# Altium PCB main_io.PcbDoc (part 1 of 3) (continued)
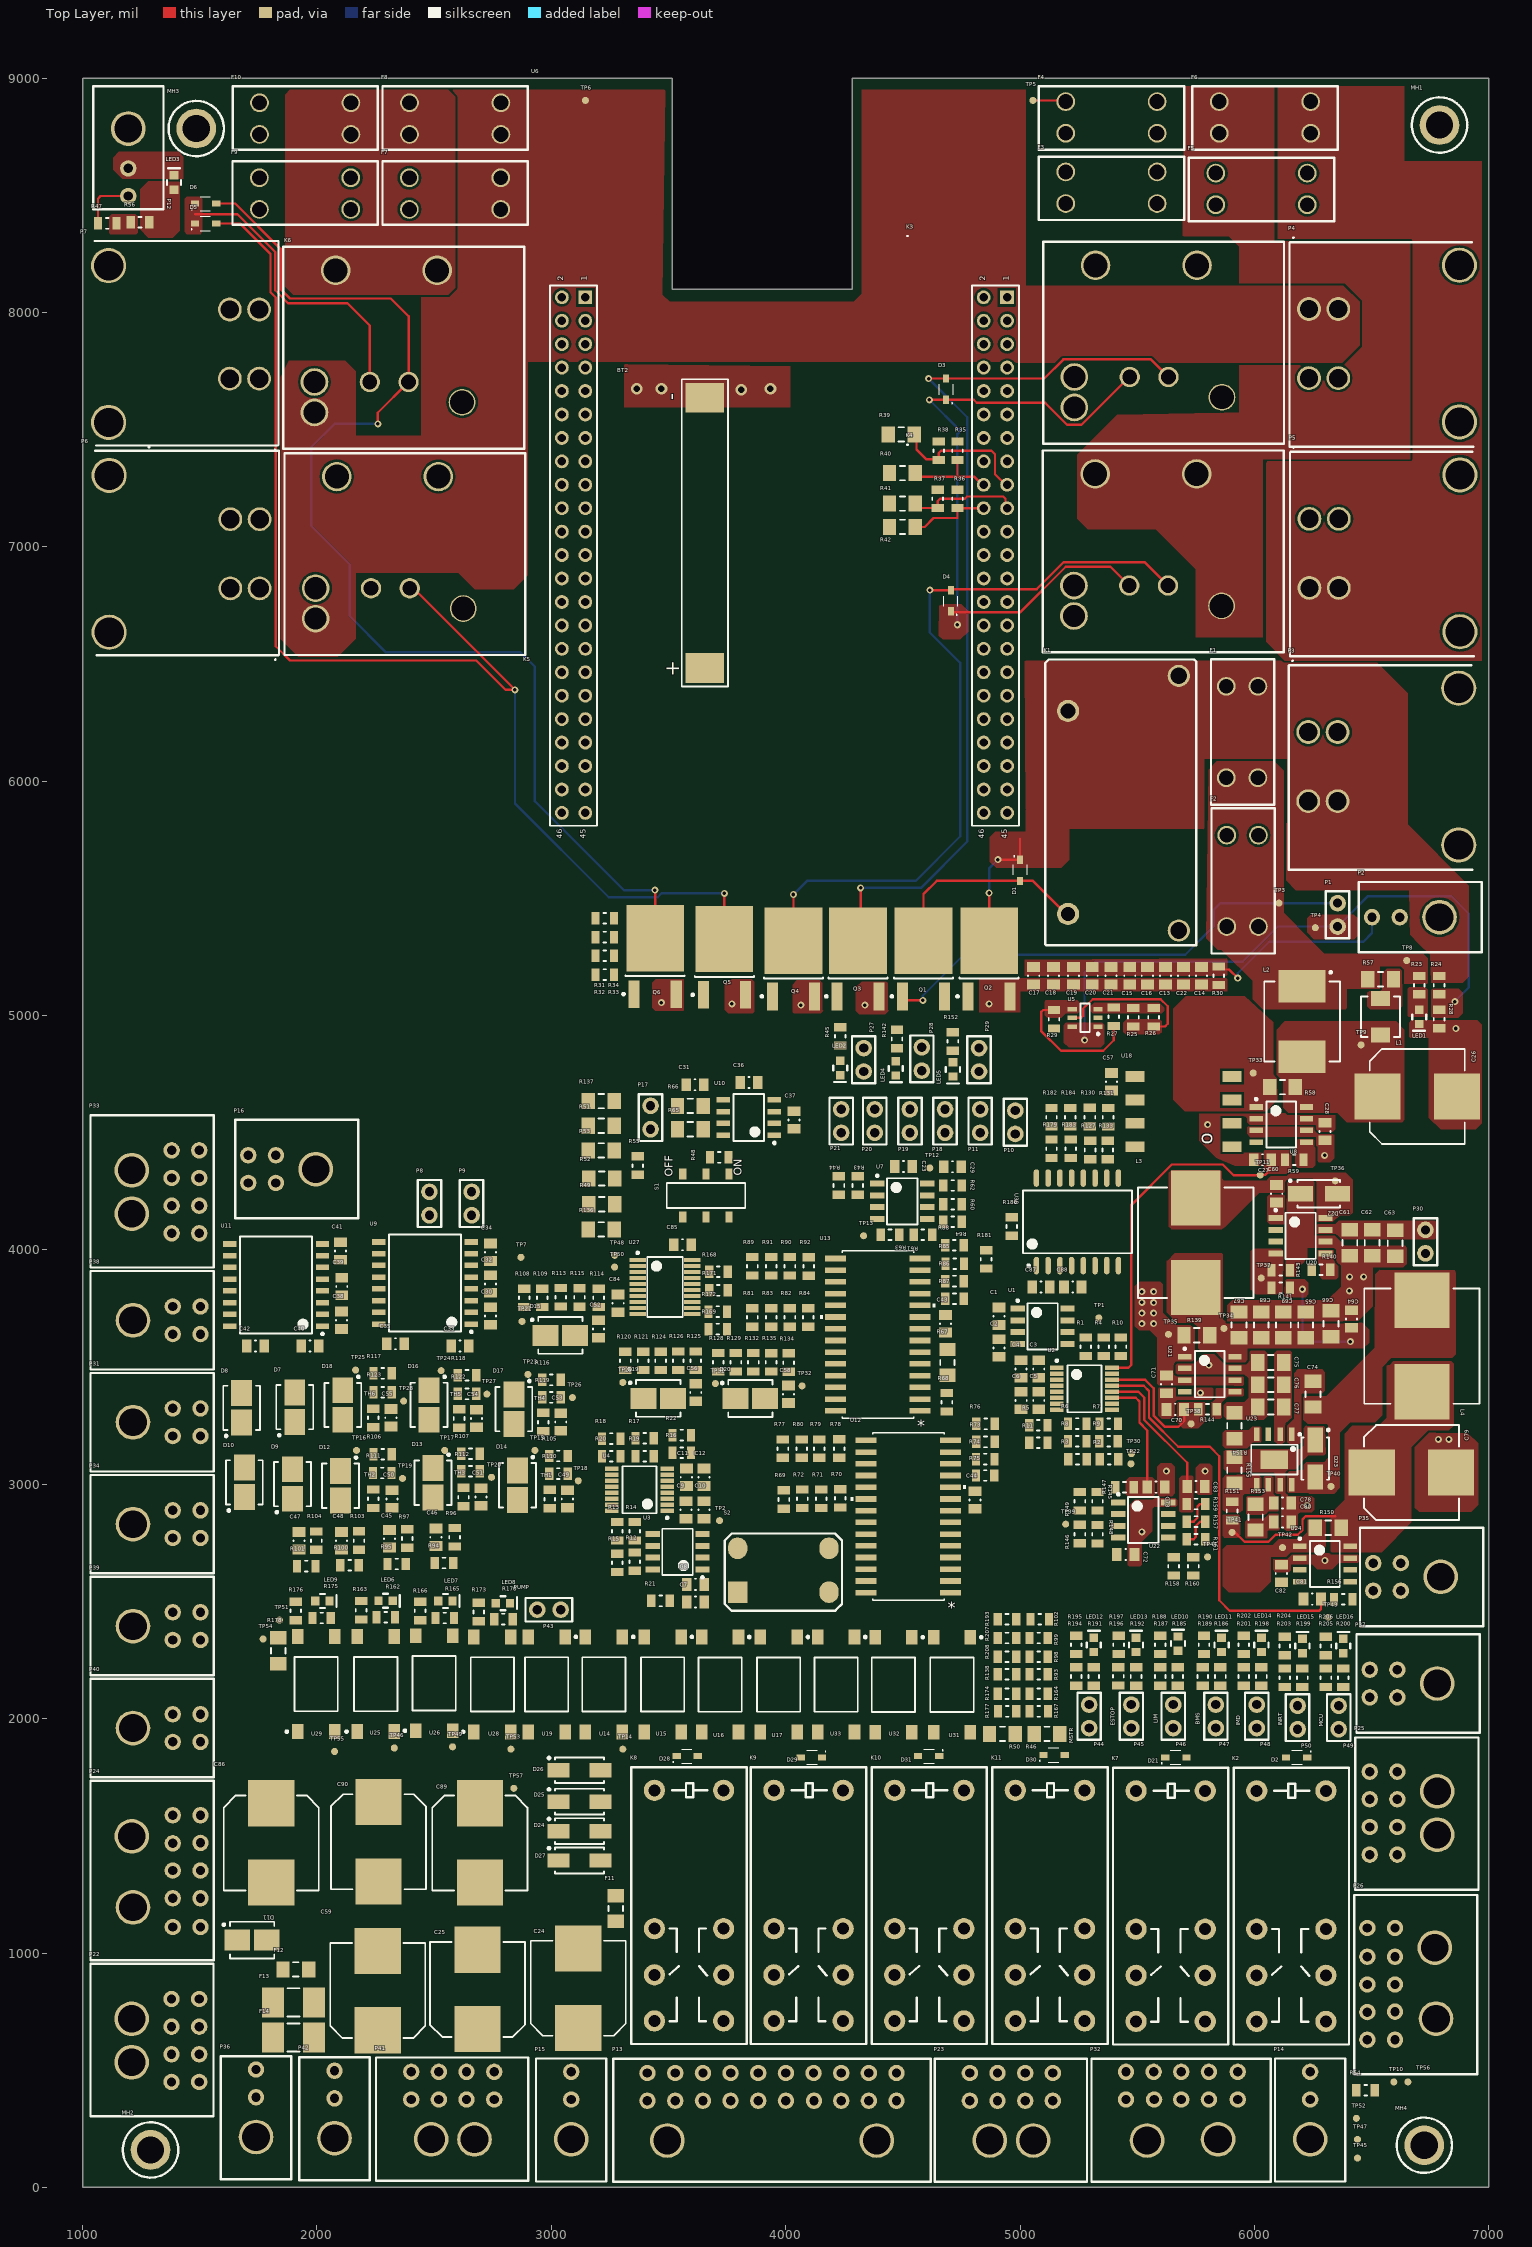
[diagram p0: Top Layer view]
## Components (designator, comment, footprint, x,y, rotation, side; value= is the part's Value field where it differs from the comment) (continued)
C85 "0.10µF" SMD-0805C 3560.24,4022.24 r180 top
C86 "PCR1J101MCL1GS" CAPAE110103X126M 1805,1470 r270 top
C87 "0.10µF" SMD-0805C 5090,3842.24 r0 top
C88 "1µF" SMD-0805C 5225,3842.24 r0 top
C89 "PCR1J101MCL1GS" CAPAE110103X126M 2695,1470 r270 top
C90 "PCR1J101MCL1GS" CAPAE110103X126M 2262.24,1475 r270 top
D1 "Diode General Purpose_2" SODFL250X110-2N 5000,5620 r90 top
D2 "Diode General Purpose_2" SODFL250X110-2N 6180,1835 r0 top
D3 "Diode General Purpose_2" SODFL250X110-2N 4685,7673.03 r270 top
D4 "Diode General Purpose_2" SODFL250X110-2N 4705,6770 r270 top
D5 "Diode General Purpose_2" SODFL250X110-2N 1525,8380 r180 top
D6 "Diode General Purpose_2" SODFL250X110-2N 1525,8465 r180 top
D7 "SMBJ8.0CA" DIOM4436X26N 1905.26,3329.39 r90 top
D8 "SMBJ8.0CA" DIOM4436X26N 1678.72,3326.39 r90 top
D9 "SMBJ8.0CA" DIOM4436X26N 1895.26,3001.28 r90 top
D10 "SMBJ8.0CA" DIOM4436X26N 1690.26,3008.28 r90 top
D11 "SMBJ15A" DIOM4436X26N 1723.03,1055 r0 top
D12 "SMBJ15A" DIOM4436X26N 2100.26,2993.95 r270 top
D13 "SMBJ15A" DIOM4436X26N 2495.26,3006.68 r270 top
D14 "SMBJ15A" DIOM4436X26N 2855.26,2995.96 r270 top
D15 "SMBJ15A" DIOM4436X26N 3038.63,3635.67 r0 top
D16 "SMBJ15A" DIOM4436X26N 2478.41,3338.68 r270 top
D17 "SMBJ15A" DIOM4436X26N 2840.26,3320.68 r270 top
D18 "SMBJ15A" DIOM4436X26N 2110.26,3338.4 r270 top
D19 "SMBJ15A" DIOM4436X26N 3456.36,3366.89 r0 top
D20 "SMBJ15A" DIOM4436X26N 3849.51,3366.18 r0 top
D21 "Diode General Purpose_2" SODFL250X110-2N 5665,1835 r180 top
D22 "B340A-13-F" DIOM4326X20N 6275,4240 r0 top
D23 "B340A-13-F" DIOM4326X20N 6260,3110 r270 top
D24 "SMAJ24A" INDM5026X18N 3120,1520 r0 top
D25 "SMAJ24A" INDM5026X18N 3120,1646 r0 top
D26 "SMAJ24A" INDM5026X18N 3120,1780 r0 top
D27 "SMAJ24A" INDM5026X18N 3120,1395 r0 top
D28 "Diode General Purpose_2" SODFL250X110-2N 3580,1840 r180 top
D29 "Diode General Purpose_2" SODFL250X110-2N 4110,1835 r0 top
D30 "Diode General Purpose_2" SODFL250X110-2N 5145,1845 r180 top
D31 "Diode General Purpose_2" SODFL250X110-2N 4610,1840 r0 top
F1 "3568" "Fuse Holder 30A 500V 1 Circuit Blade Through Hole" 5880,6405 r270 top
F2 "3568" "Fuse Holder 30A 500V 1 Circuit Blade Through Hole" 5882.28,5770 r270 top
F3 "3568" "Fuse Holder 30A 500V 1 Circuit Blade Through Hole" 5585,8600 r180 top
F4 "3568" "Fuse Holder 30A 500V 1 Circuit Blade Through Hole" 5585,8900 r180 top
F5 "3568" "Fuse Holder 30A 500V 1 Circuit Blade Through Hole" 6225.51,8595 r180 top
F6 "3568" "Fuse Holder 30A 500V 1 Circuit Blade Through Hole" 6240,8900 r180 top
F7 "3568" "Fuse Holder 30A 500V 1 Circuit Blade Through Hole" 2394.37,8440 r0 top
F8 "3568" "Fuse Holder 30A 500V 1 Circuit Blade Through Hole" 2395,8760 r0 top
F9 "3568" "Fuse Holder 30A 500V 1 Circuit Blade Through Hole" 1754.37,8440 r0 top
F10 "3568" "Fuse Holder 30A 500V 1 Circuit Blade Through Hole" 1755,8760 r0 top
F11 "F2570CT" SMD-1206-RES 3275,1190 r270 top
F12 "F2570CT" SMD-1206-RES 1910,930 r0 top
F13 "CB61F15A-TR1" RESC6132X26N 1900,790 r180 top
F14 "CB61F15A-TR1" RESC6132X26N 1900,640 r180 top
K1 "PCFN-124D2M,000" PCFN-124D2M,000 5677.44,6449.61 r270 top
K2 "G2RL-24_DC24" G2RL 6010,1692.4 r90 top
K3 "1393277-8" "RELAY AUTOMOTIVE SPDT 45A 24V - duplicate" 5322.24,8201.38 r180 top
K4 "1393277-8" "RELAY AUTOMOTIVE SPDT 45A 24V - duplicate" 5320.55,7311.38 r180 top
K5 "1393277-8" "RELAY AUTOMOTIVE SPDT 45A 24V - duplicate" 2085,7300 r180 top
K6 "1393277-8" "RELAY AUTOMOTIVE SPDT 45A 24V - duplicate" 2079.96,8180 r180 top
K7 "G2RL-24_DC24" G2RL 5495,1692.4 r90 top
K8 "G2RL-24_DC24" G2RL 3440,1694.53 r90 top
K9 "G2RL-24_DC24" G2RL 3950,1694.53 r90 top
K10 "G2RL-24_DC24" G2RL 4465,1694.53 r90 top
K11 "G2RL-24_DC24" G2RL 4980,1694.53 r90 top
L1 "0410CDMCCDS-R10MC" INDM4442X20N 6538.27,4995 r270 top
L2 "IHLP3232DZER1R0M11" INDM8682X40N 6203.27,4975 r270 top
L3 "SRR1280A-330M" INDM120125X75N 5750,4030.94 r270 top
L4 "SRR1260-180M" INDM125125X60N 6715,3590.16 r270 top
LED1 "LED GREEN 0603" "LED 0603 GREEN" 6703.27,4995 r270 top
LED2 "RED" "LED 0603 RED" 4232.7,4776.48 r270 top
LED3 "LED GREEN 0603" "LED 0603 GREEN" 1390,8555 r90 top
LED4 "LED GREEN 0603" "LED 0603 GREEN" 4470,4775 r270 top
LED5 "LED GREEN 0603" "LED 0603 GREEN" 4713.61,4770.59 r270 top
LED6 "LED GREEN 0603" "LED 0603 GREEN" 2292.76,2502.99 r0 top
LED7 "LED GREEN 0603" "LED 0603 GREEN" 2548.27,2502.36 r0 top
LED8 "LED GREEN 0603" "LED 0603 GREEN" 2793.27,2492.99 r0 top
LED9 "LED GREEN 0603" "LED 0603 GREEN" 2023.27,2502.36 r0 top
LED10 "LED GREEN 0603" "LED 0603 GREEN" 5674.13,2320 r90 top
LED11 "LED GREEN 0603" "LED 0603 GREEN" 5860,2315 r90 top
LED12 "LED GREEN 0603" "LED 0603 GREEN" 5314.76,2315 r90 top
LED13 "LED GREEN 0603" "LED 0603 GREEN" 5495,2315 r90 top
LED14 "LED GREEN 0603" "LED 0603 GREEN" 6030,2315 r90 top
LED15 "LED GREEN 0603" "LED 0603 GREEN" 6205,2310 r90 top
LED16 "LED GREEN 0603" "LED 0603 GREEN" 6379.45,2310 r90 top
MH1 "4-40 Mount Hole" MH 6790,8800 r0 top
MH2 "4-40 Mount Hole" MH 1290,160 r0 top
MH3 "4-40 Mount Hole" MH 1485,8785 r0 top
MH4 "4-40 Mount Hole" MH 6725,180 r0 top
P1 "Header 2" "Pin Header 1x2 TH Pitch 2.54mm" 6355,5380 r90 top
P2 "43045-0200" 430450200 6790,5420 r90 top
P3 "0431605302" "CONN HDR 2POS 7.50MM" 6871.93,5727.99 r90 top
P4 "0431605302" "CONN HDR 2POS 7.50MM" 6874.96,7532.99 r90 top
P5 "0431605302" "CONN HDR 2POS 7.50MM" 6876.93,6637.99 r90 top
P6 "0431605302" "CONN HDR 2POS 7.50MM" 1113.27,7305 r270 top
P7 "0431605302" "CONN HDR 2POS 7.50MM" 1111.1,8200 r270 top
P8 "Header 2" "Pin Header 1x2 TH Pitch 2.54mm" 2480,4248.23 r270 top
P9 "Header 2" "Pin Header 1x2 TH Pitch 2.54mm" 2660,4248.23 r270 top
P10 "Header 2" "Pin Header 1x2 TH Pitch 2.54mm" 4980,4595 r270 top
P11 "Header 2" "Pin Header 1x2 TH Pitch 2.54mm" 4830,4600 r270 top
P12 "43045-0200" 430450200 1195,8785 r180 top
P13 "43045-2000" 430452000 4389,200 r0 top
P14 "43045-0200" 430450200 6237.83,205 r0 top
P15 "43045-0200" 430450200 3085,205 r0 top
P16 "43045-0400" 430450400 1995,4345 r90 top
P17 "Header 2" "Pin Header 1x2 TH Pitch 2.54mm" 3423.37,4515 r90 top
P18 "Header 2" "Pin Header 1x2 TH Pitch 2.54mm" 4680,4600 r270 top
P19 "Header 2" "Pin Header 1x2 TH Pitch 2.54mm" 4530,4600 r270 top
P20 "Header 2" "Pin Header 1x2 TH Pitch 2.54mm" 4380,4500 r90 top
P21 "Header 2" "Pin Header 1x2 TH Pitch 2.54mm" 4237,4500 r90 top
P22 "43045-0800" 430450800 1209.49,534 r270 top
P23 "43045-0800" 430450800 5056,200 r0 top
P24 "43045-1000" 430451000 1215,1195 r270 top
P25 "43045-0800" 430450800 6780,1690 r90 top
P26 "43045-1000" 430451000 6770,1023 r90 top
P27 "Header 2" "Pin Header 1x2 TH Pitch 2.54mm" 4332.7,4861.48 r270 top
P28 "Header 2" "Pin Header 1x2 TH Pitch 2.54mm" 4580.98,4865 r270 top
P29 "Header 2" "Pin Header 1x2 TH Pitch 2.54mm" 4825,4861.48 r270 top
P30 "Header 2" "Pin Header 1x2 TH Pitch 2.54mm" 6730,4085.51 r270 top
P31 "43045-0400" 430450400 1215,3265 r270 top
P32 "43045-1000" 430451000 5845,205 r0 top
P33 "43045-0800" 430450800 1210,4155 r270 top
P34 "43045-0400" 430450400 1215,2830 r270 top
P35 "43045-0400" 430450400 6795,2605 r90 top
P36 "43045-0200" 430450200 1740,215 r0 top
P37 "43045-0400" 430450400 6780,2150 r90 top
P38 "43045-0400" 430450400 1215,3700 r270 top
P39 "43045-0400" 430450400 1215,2395 r270 top
P40 "43045-0400" 430450400 1215,1960 r270 top
P41 "43045-0800" 430450800 2672.26,205 r0 top
P42 "43045-0200" 430450200 2075,210 r0 top
P43 "Header 2" "Pin Header 1x2 TH Pitch 2.54mm" 3040,2465 r180 top
P44 "Header 2" "Pin Header 1x2 TH Pitch 2.54mm" 5295,1960 r90 top
P45 "Header 2" "Pin Header 1x2 TH Pitch 2.54mm" 5475,1960 r90 top
P46 "Header 2" "Pin Header 1x2 TH Pitch 2.54mm" 5653.7,1960 r90 top
P47 "Header 2" "Pin Header 1x2 TH Pitch 2.54mm" 5835.51,1960 r90 top
P48 "Header 2" "Pin Header 1x2 TH Pitch 2.54mm" 6010,1960 r90 top
P49 "Header 2" "Pin Header 1x2 TH Pitch 2.54mm" 6359.76,1955 r90 top
P50 "Header 2" "Pin Header 1x2 TH Pitch 2.54mm" 6184.45,2055 r270 top
Q1 "N-MOS" DPAK228P991X238-3N 4588.27,5243.23 r90 top
Q2 "N-MOS" DPAK228P991X238-3N 4868.15,5243.23 r90 top
Q3 "N-MOS" DPAK228P991X238-3N 4308.27,5243.23 r90 top
Q4 "N-MOS" DPAK228P991X238-3N 4033.27,5243.23 r90 top
Q5 "N-MOS" DPAK228P991X238-3N 3738.27,5250 r90 top
Q6 "N-MOS" DPAK228P991X238-3N 3443.27,5253.23 r90 top
R1 "10k" SMD-0805-RES 5280.47,3587.22 r90 top
R2 "10k" SMD-0805-RES 5380,3107.22 r0 top
R3 "10k" SMD-0805-RES 5245,3107.22 r180 top
R4 "10k" SMD-0805-RES 5357.72,3587.22 r90 top
R5 "10k" SMD-0805-RES 5078.15,3252.22 r180 top
R6 "0.0" SMD-0805-RES 5243.9,3259.03 r180 top
R7 "0.0" SMD-0805-RES 5378.58,3258.8 r0 top
R8 "0.0" SMD-0805-RES 5243.9,3184.03 r180 top
R9 "0.0" SMD-0805-RES 5377.95,3183.8 r0 top
R10 "10k" SMD-0805-RES 5430.47,3587.22 r270 top
R11 "10k" SMD-0805-RES 5078.15,3177.22 r0 top
R12 "10k" SMD-0805-RES 3356.26,2670.02 r90 top
R13 "10k" SMD-0805-RES 3281.26,2800.02 r270 top
R14 "10k" SMD-0805-RES 3356.26,2800.02 r270 top
R15 "10k" SMD-0805-RES 3281.26,2665.02 r90 top
R16 "10k" SMD-0805-RES 3556.26,3135.02 r0 top
R17 "0.0" SMD-0805-RES 3398.2,3196.75 r0 top
R18 "0.0" SMD-0805-RES 3255.94,3195.02 r180 top
R19 "0.0" SMD-0805-RES 3398.2,3120.02 r0 top
R20 "0.0" SMD-0805-RES 3255.94,3120.02 r180 top
R21 "10k" SMD-0805-RES 3466.26,2502.4 r180 top
R22 "10k" SMD-0805-RES 3556.26,3210.02 r180 top
R23 "1k" SMD-0805-RES 6703.27,5130 r90 top
R24 "510k" SMD-0805-RES 6788.27,5130 r90 top
R25 "255k" SMD-0805-RES 5483.93,4992.91 r270 top
R26 "5.1k" SMD-0805-RES 5569.8,4992.91 r270 top
R27 "34" SMD-0805-RES 5400,4995 r90 top
R28 "510k" SMD-0805-RES 6788.27,4985 r90 top
R29 "68" SMD-0805-RES 5145,4984.37 r90 top
R30 "2M" SMD-0805-RES 5848.27,5170 r90 top
R31 "10k" SMD-0805-RES 3228.03,5255 r0 top
R32 "10k" SMD-0805-RES 3228.03,5175 r0 top
R33 "10k" SMD-0805-RES 3228.03,5335 r180 top
R34 "10k" SMD-0805-RES 3228.03,5415 r0 top
R35 "10k" SMD-0805-RES 4733.27,7410 r90 top
R36 "10k" SMD-0805-RES 4733.27,7205 r90 top
R37 "10k" SMD-0805-RES 4648.27,7205 r90 top
R38 "10k" SMD-0805-RES 4653.54,7410 r90 top
R39 "0.0" SMD-1206-RES 4493.27,7480 r0 top
R40 "0.0" SMD-1206-RES 4498.27,7315 r180 top
R41 "0.0" SMD-1206-RES 4498.27,7185 r0 top
R42 "0.0" SMD-1206-RES 4498.27,7085 r180 top
R43 "10k" SMD-0805-RES 4307.36,4275 r90 top
R44 "10k" SMD-0805-RES 4227.36,4275 r270 top
R45 "180" SMD-0805-RES 4232.7,4911.48 r90 top
R46 "0.0" SMD-1206-RES 5115,1935 r180 top
R47 "1k" SMD-0805-RES 1105,8380 r0 top
R48 "120" SMD-0805-RES 3716.6,4395 r180 top
R49 "0.0" SMD-1206-RES 3215.54,4195 r0 top
R50 "0.0" SMD-1206-RES 4925,1935 r0 top
R51 "0.0" SMD-1206-RES 3213.37,4530 r0 top
R52 "0.0" SMD-1206-RES 3215.54,4305 r0 top
R53 "0.0" SMD-1206-RES 3213.37,4425 r0 top
R54 "1k" SMD-0805-RES 6474.37,415 r0 top
R55 "120" SMD-0805-RES 3368.37,4360 r90 top
R56 "1k" SMD-0805-RES 1245,8385 r0 top
R57 "0.18" SMD-1206-RES 6538.27,5155 r0 top
R58 "0.002" SMD-1206-RES 6120,4695 r180 top
R59 "30k" SMD-0805-RES 6170,4385 r180 top
R60 "6.2k" SMD-0805-RES 4712.36,4195 r0 top
R61 "100k" SMD-0805-RES 4585.63,4065 r180 top
R62 "30k" SMD-0805-RES 4712.36,4275 r180 top
R63 "10k" SMD-0805-RES 4445,4065 r0 top
R64 "10k" SMD-0805-RES 4712.36,4120 r180 top
R65 "60.4" SMD-1206-RES 3593.37,4515 r180 top
R66 "60.4" SMD-1206-RES 3593.37,4615 r180 top
R67 "46.4k" SMD-1206-RES 4690,3520 r90 top
R68 "10k" SMD-0805-RES 4688.13,3350 r90 top
R69 "10k" SMD-0805-RES 3992.7,2935.23 r270 top
R70 "10k" SMD-0805-RES 4232.7,2940.23 r270 top
R71 "10k" SMD-0805-RES 4151.68,2938.5 r270 top
R72 "10k" SMD-0805-RES 4071.68,2938.5 r270 top
R73 "0.0" SMD-0805-RES 4852.57,3180.88 r0 top
R74 "0.0" SMD-0805-RES 4851.56,3107.73 r0 top
R75 "0.0" SMD-0805-RES 4851.26,3037.73 r0 top
R76 "0.0" SMD-0805-RES 4853.06,3257.73 r0 top
R77 "10k" SMD-0805-RES 3988.33,3152.3 r270 top
R78 "10k" SMD-0805-RES 4228.21,3152.61 r270 top
R79 "10k" SMD-0805-RES 4143.33,3152.3 r270 top
R80 "10k" SMD-0805-RES 4068.33,3152.3 r270 top
R81 "10k" SMD-0805-RES 3858.13,3712.32 r270 top
R82 "10k" SMD-0805-RES 4018.13,3712.32 r270 top
R83 "10k" SMD-0805-RES 3938.13,3712.32 r270 top
R84 "10k" SMD-0805-RES 4096.19,3712.32 r270 top
R85 "0.0" SMD-0805-RES 4721.68,3941.42 r0 top
R86 "0.0" SMD-0805-RES 4720.22,3867.24 r0 top
R87 "0.0" SMD-0805-RES 4720.22,3792.24 r0 top
R88 "0.0" SMD-0805-RES 4720,4020 r0 top
R89 "10k" SMD-0805-RES 3858.13,3930.51 r270 top
R90 "10k" SMD-0805-RES 4018.13,3930.51 r270 top
R91 "10k" SMD-0805-RES 3938.13,3930.51 r270 top
R92 "10k" SMD-0805-RES 4098.13,3929.88 r270 top
R93 "180" SMD-0805-RES 5079.37,2189.37 r0 top
R94 "680k" SMD-0805-RES 2542.26,2664.37 r180 top
R95 "680k" SMD-0805-RES 2340,2660 r180 top
R96 "147k" SMD-0805-RES 2587.26,2774.37 r270 top
R97 "147k" SMD-0805-RES 2385,2768.62 r270 top
R98 "180" SMD-0805-RES 5079.37,2264.37 r0 top
R99 "180" SMD-0805-RES 5079.37,2344.37 r0 top
R100 "680k" SMD-0805-RES 2139.37,2655 r180 top
R101 "680k" SMD-0805-RES 1954.37,2651.42 r180 top
R102 "180" SMD-0805-RES 5084.37,2424.37 r0 top
R103 "147k" SMD-0805-RES 2179.37,2760 r270 top
R104 "147k" SMD-0805-RES 1997.83,2759.61 r270 top
R105 "10k" SMD-0805-RES 3030.26,3120.84 r0 top
R106 "10k" SMD-0805-RES 2280.26,3128.26 r0 top
R107 "10k" SMD-0805-RES 2655.26,3130.68 r0 top
R108 "0.0" SMD-0805-RES 2884.81,3795.67 r90 top
R109 "0.0" SMD-0805-RES 2961.54,3795.67 r90 top
R110 "30k" SMD-0805-RES 3030.26,3045.96 r0 top
R111 "30k" SMD-0805-RES 2278.53,3048.26 r0 top
R112 "30k" SMD-0805-RES 2655.26,3055.68 r0 top
R113 "0.0" SMD-0805-RES 3040.32,3798.07 r270 top
R114 "30k" SMD-0805-RES 3201.54,3795.67 r270 top
R115 "200" SMD-0805-RES 3120.32,3797.44 r90 top
R116 "10k" SMD-0805-RES 3000.26,3445.68 r0 top
R117 "10k" SMD-0805-RES 2280.26,3473.28 r0 top
R118 "10k" SMD-0805-RES 2640.26,3465.68 r0 top
R119 "30k" SMD-0805-RES 3000.26,3370.68 r0 top
R120 "0.0" SMD-0805-RES 3316.36,3526.89 r90 top
R121 "0.0" SMD-0805-RES 3391.36,3526.89 r90 top
R122 "30k" SMD-0805-RES 2640.26,3385.68 r0 top
R123 "30k" SMD-0805-RES 2280.26,3393.28 r0 top
R124 "0.0" SMD-0805-RES 3466.36,3526.89 r270 top
R125 "30k" SMD-0805-RES 3616.36,3527.28 r270 top
R126 "200" SMD-0805-RES 3541.36,3527.28 r90 top
R127 "0.0" SMD-0805-RES 5299.06,4426.42 r90 top
R128 "0.0" SMD-0805-RES 3712.5,3521.18 r90 top
R129 "0.0" SMD-0805-RES 3787.5,3521.18 r90 top
R130 "0.0" SMD-0805-RES 5298.43,4567.05 r270 top
R131 "0.0" SMD-0805-RES 5375.83,4566.42 r270 top
R132 "0.0" SMD-0805-RES 3862.5,3521.18 r270 top
R133 "0.0" SMD-0805-RES 5374.06,4426.42 r90 top
R134 "30k" SMD-0805-RES 4012.5,3519.29 r270 top
R135 "200" SMD-0805-RES 3937.5,3520.55 r90 top
R136 "0.0" SMD-1206-RES 3213.37,4087.6 r0 top
R137 "0.0" SMD-1206-RES 3213.37,4635 r0 top
R138 "180" SMD-0805-RES 4944.37,2189.37 r180 top
R139 "0.01" SMD-1206-RES 5754.76,3636.14 r180 top
R140 "1k" SMD-0805-RES 6284.4,3915.63 r0 top
R141 "10k" SMD-0805-RES 6112.17,3838.23 r0 top
R142 "330" SMD-0805-RES 4475,4899.96 r90 top
R143 "3.24k" SMD-0805-RES 6112.17,3913.23 r180 top
R144 "30k" SMD-0805-RES 5800,3320 r180 top
R145 "6.2k" SMD-0805-RES 5330.63,2927.57 r90 top
R146 "10k" SMD-0805-RES 5255.63,2787.57 r270 top
R147 "30k" SMD-0805-RES 5445.63,2987.73 r0 top
R148 "10k" SMD-0805-RES 5330.63,2787.3 r90 top
R149 "10k" SMD-0805-RES 5255.63,2927.57 r270 top
R150 "0.01" SMD-1206-RES 6315,2815 r180 top
R151 "147k" SMD-0805-RES 5905,2886.26 r270 top
R152 "1k" SMD-0805-RES 4713.61,4889.88 r90 top
R153 "56.2k" SMD-1206-RES 6005,2860 r90 top
R154 "133k" SMD-1206-RES 5914.37,3250 r270 top
R155 "10.5k" SMD-1206-RES 5915,3060 r270 top
R156 "30k" SMD-0805-RES 6379.45,2510 r180 top
R157 "6.2k" SMD-0805-RES 5750.63,2841 r180 top
R158 "100k" SMD-0805-RES 5655,2650 r90 top
R159 "30k" SMD-0805-RES 5750.63,2916 r180 top
R160 "10k" SMD-0805-RES 5740,2650 r90 top
R161 "10k" SMD-0805-RES 5750.63,2766 r180 top
R162 "180" SMD-0805-RES 2293.27,2432.48 r0 top
R163 "10k" SMD-0805-RES 2188.27,2462.99 r90 top
R164 "1k" SMD-0805-RES 5079.37,2106.02 r0 top
R165 "180" SMD-0805-RES 2545.63,2429.72 r0 top
R166 "10k" SMD-0805-RES 2440,2460 r90 top
R167 "1k" SMD-0805-RES 5080,2031.02 r0 top
R168 "0.0" SMD-0805-RES 3713,3907.24 r180 top
R169 "0.0" SMD-0805-RES 3710,3662.24 r180 top
R170 "180" SMD-0805-RES 2795.63,2425 r0 top
R171 "0.0" SMD-0805-RES 3713,3827.24 r180 top
R172 "0.0" SMD-0805-RES 3710,3737.24 r180 top
R173 "10k" SMD-0805-RES 2690,2455 r90 top
R174 "1k" SMD-0805-RES 4944.37,2106.02 r180 top
R175 "180" SMD-0805-RES 2020,2429.72 r0 top
R176 "10k" SMD-0805-RES 1910,2460 r90 top
R177 "1k" SMD-0805-RES 4945,2031.02 r180 top
R178 "0.0" SMD-1206-RES 1835,2289.49 r90 top
R179 "0.0" SMD-0805-RES 5134.29,4431.73 r90 top
R180 "10k" SMD-0805-RES 4965,4100 r90 top
R181 "10k" SMD-0805-RES 4855,3960 r90 top
R182 "0.0" SMD-0805-RES 5134.33,4566.73 r270 top
R183 "0.0" SMD-0805-RES 5216.42,4431.73 r90 top
R184 "0.0" SMD-0805-RES 5214.65,4566.73 r270 top
R185 "1k" SMD-0805-RES 5673.35,2180 r90 top
R186 "1k" SMD-0805-RES 5855,2180 r90 top
R187 "6.34k" SMD-0805-RES 5598.7,2180 r90 top
R188 "1k" SMD-0805-RES 5598.7,2315 r90 top
R189 "6.34k" SMD-0805-RES 5780,2180 r90 top
R190 "1k" SMD-0805-RES 5785,2315 r90 top
R191 "1k" SMD-0805-RES 5314.76,2180 r90 top
R192 "1k" SMD-0805-RES 5495,2180 r90 top
R193 "180" SMD-0805-RES 4944.37,2424.37 r180 top
R194 "6.34k" SMD-0805-RES 5240,2180 r90 top
R195 "1k" SMD-0805-RES 5240,2315 r90 top
R196 "6.34k" SMD-0805-RES 5420,2180.63 r90 top
R197 "1k" SMD-0805-RES 5420.28,2315 r90 top
R198 "1k" SMD-0805-RES 6030,2180 r90 top
R199 "1k" SMD-0805-RES 6205,2175 r90 top
R200 "1k" SMD-0805-RES 6379.45,2175 r90 top
R201 "6.34k" SMD-0805-RES 5955,2180 r90 top
R202 "1k" SMD-0805-RES 5955,2315 r90 top
R203 "6.34k" SMD-0805-RES 6130,2175 r90 top
R204 "1k" SMD-0805-RES 6130,2310 r90 top
R205 "6.34k" SMD-0805-RES 6305,2175 r90 top
R206 "1k" SMD-0805-RES 6305,2310 r90 top
R207 "180" SMD-0805-RES 4944.37,2344.37 r180 top
R208 "180" SMD-0805-RES 4944.37,2264.37 r180 top
S1 "CL-SB-22B-01T" SOP250P500X350-6N 3659.95,4232.48 r90 top
S2 "OFF-mom push button SPST" K12SCS1.55NOLFTX 3795.24,2540 r90 top
TH1 "NCP21XM472J03RA" SMD-0805-RES 2993.29,2936.96 r90 top
TH2 "NCP21XM472J03RA" SMD-0805-RES 2240.26,2938.26 r90 top
TH3 "NCP21XM472J03RA" SMD-0805-RES 2625.26,2945.68 r90 top
TH4 "NCP21XM472J03RA" SMD-0805-RES 2965.26,3265.68 r90 top
TH5 "NCP21XM472J03RA" SMD-0805-RES 2606.52,3280.68 r90 top
TH6 "NCP21XM472J03RA" SMD-0805-RES 2240.26,3283.28 r90 top
TP1 "TP" "Test Point" 5336,3710 r0 top
TP2 "TP" "Test Point" 3718.03,2845 r0 top
TP3 "TP" "Test Point" 6105,5480 r90 top
TP4 "TP" "Test Point" 6260,5375 r0 top
TP5 "TP" "Test Point" 5055,8905 r0 top
TP6 "TP" "Test Point" 3145.79,8905 r0 top
TP7 "TP" "Test Point" 2870.26,3968.78 r0 top
TP8 "TP" "Test Point" 6650,5235 r0 top
TP9 "TP" "Test Point" 6455,4875 r0 top
TP10 "TP" "Test Point" 6595,450 r0 top
TP11 "TP" "Test Point" 6025,4320 r0 top
TP12 "TP" "Test Point" 4615,4350 r180 top
TP13 "TP" "Test Point" 4332.7,4060.63 r180 top
TP14 "TP" "Test Point" 3305,1870 r0 top
TP15 "TP" "Test Point" 2930,3145 r0 top
TP16 "TP" "Test Point" 2168.74,3145 r0 top
TP17 "TP" "Test Point" 2545,3145 r0 top
TP18 "TP" "Test Point" 3115,3015.13 r0 top
TP19 "TP" "Test Point" 2365,3025 r0 top
TP20 "TP" "Test Point" 2745,3030 r0 top
TP21 "TP" "Test Point" 2875,3695 r0 top
TP22 "TP" "Test Point" 5473.11,3087.61 r0 top
TP23 "TP" "Test Point" 2900,3469.02 r0 top
TP24 "TP" "Test Point" 2530,3485 r0 top
TP25 "TP" "Test Point" 2165,3487.52 r0 top
TP26 "TP" "Test Point" 3090,3370 r0 top
TP27 "TP" "Test Point" 2725,3385 r0 top
TP28 "TP" "Test Point" 2370,3355 r0 top
TP29 "TP" "Test Point" 3305,3435 r0 top
TP30 "TP" "Test Point" 5475,3130.68 r0 top
TP31 "TP" "Test Point" 3700,3430 r0 top
TP32 "TP" "Test Point" 4070,3420 r0 top
TP33 "TP" "Test Point" 5995,4755 r0 top
TP34 "TP" "Test Point" 5870,3665 r0 top
TP35 "TP" "Test Point" 5633.27,3640 r0 top
TP36 "TP" "Test Point" 6345,4295 r0 top
TP37 "TP" "Test Point" 6029.25,3880 r0 top
TP38 "TP" "Test Point" 5730,3258.4 r0 top
TP39 "TP" "Test Point" 5195,2830 r90 top
TP40 "TP" "Test Point" 6326.81,2991 r0 top
TP41 "TP" "Test Point" 5905,2795 r0 top
TP42 "TP" "Test Point" 6120,2730 r0 top
TP43 "TP" "Test Point" 6315,2432.48 r0 top
TP44 "TP" "Test Point" 5800,2690 r0 top
TP45 "TP" "Test Point" 6440,125 r0 top
TP46 "TP" "Test Point" 2330,1875 r0 top
TP47 "TP" "Test Point" 6440,205 r0 top
TP48 "TP" "Test Point" 3270.24,3977.24 r0 top
TP49 "TP" "Test Point" 2578.74,1880 r0 top
TP50 "TP" "Test Point" 3270.24,3927.24 r0 top
TP51 "TP" "Test Point" 1840,2420.63 r0 top
TP52 "TP" "Test Point" 6435,295 r0 top
TP53 "TP" "Test Point" 2827.48,1870 r0 top
TP54 "TP" "Test Point" 1770,2340 r0 top
TP55 "TP" "Test Point" 2075,1860 r0 top
TP56 "TP" "Test Point" 6655,450 r0 top
TP57 "TP" "Test Point" 2840,1703 r0 top
U1 "REF194GSZ" SOP127P600X175-8N 5096.3,3674.46 r0 top
U2 "ADC128D818CIMTX/NOPB" TSOP65P660X120-16N 5275,3407.93 r0 top
U3 "REF194GSZ" SOP127P600X175-8N 3538.58,2712.26 r180 top
U4 "ADC128D818CIMTX/NOPB" TSOP65P660X120-16N 3376.26,2976.75 r180 top
U5 "TPS3701DDCT" TSOP95P280X110-6N 5277.8,4990.51 r180 top
U6 "BEAGLEBONE Black Rev C Headers" Beaglebone_Topside 3045,8065 r0 top
U7 "TL072CDR" SOP127P600X175-8N 4497.36,4207.6 r0 top
U8 "INA240A3" SOIC127P600X175-8N 6115,4535 r0 top
U9 "MAX232DWR" SOP127P1060X175-16N 2460.89,3858.98 r180 top
U10 "SN65HVD256" SOIC127P610X280-8N 3842.74,4565 r180 top
U11 "MAX232DWR" SOP127P1060X175-16N 1825.77,3850.39 r180 top
U12 "MCP23017T-E/SO" SOIC28-W_MC-M 4523.33,2862.61 r180 top
U13 "MCP23017T-E/SO" SOIC28-W_MC-M 4393.13,3638.78 r180 top
U14 "TPC817" SOT200P1005X328-5N 3224.53,2146.26 r270 top
U15 "TPC817" SOT200P1005X328-5N 3475,2146.26 r270 top
U16 "TPC817" SOT200P1005X328-5N 3720,2145.63 r270 top
U17 "TPC817" SOT200P1005X328-5N 3970,2145.63 r270 top
U18 "SSCMNNN030PA2A3" 8-SMT 5905,4740 r270 top
U19 "TPC817" SOT200P1005X328-5N 2980,2146.26 r270 top
U20 "TPS5420" SOP127P600X175-8N 6197.17,4060.51 r0 top
U21 "INA240A3" SOIC127P600X175-8N 5810,3470 r0 top
U22 "TL072CDR" SOP127P600X175-8N 5525.63,2847.57 r0 top
U23 "TPS54560BQDDARQ1" "SOP127P600X175-8N - Thermal Pad" 6085,3105.63 r270 top
U24 "INA240A3" SOIC127P600X175-8N 6300.95,2660 r0 top
U25 "TPC817" SOT200P1005X328-5N 2251.26,2147.76 r90 top
U26 "TPC817" SOT200P1005X328-5N 2500,2151.26 r90 top
U27 "SLG46826" SOP65P640X175-20N 3485.24,3842.24 r0 top
U28 "TPC817" SOT200P1005X328-5N 2748.74,2146.26 r90 top
U29 "TPC817" SOT200P1005X328-5N 1996.26,2147.76 r90 top
U30 "IC RTC CLK/CALENDAR I2C 16-SOIC" SOP127P1030X265-16N 5245,4120 r90 top
U31 "TPC817" SOT200P1005X328-5N 4709.72,2145 r270 top
U32 "TPC817" SOT200P1005X328-5N 4460,2145 r270 top
U33 "TPC817" SOT200P1005X328-5N 4215,2145.63 r270 top

## Footprints (in the part's own frame and the unit in brackets; to place one, negate y for a bottom-side part, rotate by r counter-clockwise, add the part's x,y. Pads: shape width x height; smd on the part's side, far side on the other; paste and mask are expansions set on the pad)
8-SMT [mm]
  rect 1.15x2.04 smd: 1(0,-10.54) 2(2.54,-10.54) 3(5.08,-10.54) 4(7.62,-10.54) 5(7.62,0) 6(5.08,0) 7(2.54,0) 8(0,0)
  body extent -1.35,-12 8.55,1.46, height 5.44
430450200 [mil]
  round 70 hole 40: 1(0,170) 2(0,288)
  round 148 hole 118: 3(0,0)
  silkscreen extent -150,-180 150,345, body extent -141,-185 141,297, height 340
430450400 [mil]
  round 70 hole 40: 1(59,170) 2(-59,170) 3(59,288) 4(-59,288)
  round 148 hole 118: 5(0,0)
  silkscreen extent -210,-181 210,344, body extent -200,-180 200,302, height 340
430450800 [mil]
  round 70 hole 40: 1(84,170) 2(-34,170) 3(-152,170) 4(-270,170) 5(84,288) 6(-34,288) 7(-152,288) 8(-270,288)
  round 148 hole 118: 9(-185,0) 9(0,0)
  silkscreen extent -420,-176 230,349, body extent -413,-180 223,302, height 340
430451000 [mil]
  round 70 hole 40: 1(84,170) 2(-39,170) 3(-157,170) 4(-273,170) 5(-393,170) 6(84,288) 7(-39,288) 8(-157,288) 9(-275,288) 10(-393,288)
  round 148 hole 118: 11(-303,-5) 11(0,0)
  silkscreen extent -540,-181 225,344, body extent -532,-180 222,302, height 340
430452000 [mil]
  round 70 hole 40: 1(84,170) 2(-34,170) 3(-152,170) 4(-268,170) 5(-388,170) 6(-506,170) 7(-624,170) 8(-742,170) 9(-860,170) 10(-979,170) 11(84,288) 12(-34,288) 13(-152,288) 14(-270,288) 15(-388,288) 16(-506,288) 17(-624,288) 18(-742,288) 19(-860,288) 20(-979,288)
  round 148 hole 118: 21(-894,0) 21(0,0)
  silkscreen extent -1125,-176 230,349, body extent -1119,-176 225,306, height 340
"BATTERY HOLDER COIN 20MM" [mm]
  rect 3.2x4.2 smd: 1(14.65,0) 2(-14.65,0)
  silkscreen extent -16.65,-2.5 16.65,2.5, body extent -15.72,-10.47 15.98,9.53, height 5.3
Beaglebone_Topside [mm] "Connector; Header; 24x2 Position"
  rect 1.5x1.5 hole 0.9: 1(48.26,0) 101(2.54,0)
  round 1.5 hole 0.9: 2(45.72,0) 3(48.26,-2.54) 4(45.72,-2.54) 5(48.26,-5.08) 6(45.72,-5.08) 7(48.26,-7.62) 8(45.72,-7.62) 9(48.26,-10.16) 10(45.72,-10.16) 11(48.26,-12.7) 12(45.72,-12.7) 13(48.26,-15.24) 14(45.72,-15.24) 15(48.26,-17.78) 16(45.72,-17.78) 17(48.26,-20.32) 18(45.72,-20.32) 19(48.26,-22.86) 20(45.72,-22.86) 21(48.26,-25.4) 22(45.72,-25.4) 23(48.26,-27.94) 24(45.72,-27.94) 25(48.26,-30.48) 26(45.72,-30.48) 27(48.26,-33.02) 28(45.72,-33.02) 29(48.26,-35.56) 30(45.72,-35.56) 31(48.26,-38.1) 32(45.72,-38.1) 33(48.26,-40.64) 34(45.72,-40.64) 35(48.26,-43.18) 36(45.72,-43.18) 37(48.26,-45.72) 38(45.72,-45.72) 39(48.26,-48.26) 40(45.72,-48.26) 41(48.26,-50.8) 42(45.72,-50.8) 43(48.26,-53.34) 44(45.72,-53.34) 45(48.26,-55.88) 46(45.72,-55.88) 102(0,0) 103(2.54,-2.54) 104(0,-2.54) 105(2.54,-5.08) 106(0,-5.08) 107(2.54,-7.62) 108(0,-7.62) 109(2.54,-10.16) 110(0,-10.16) 111(2.54,-12.7) 112(0,-12.7) 113(2.54,-15.24) 114(0,-15.24) 115(2.54,-17.78) 116(0,-17.78) 117(2.54,-20.32) 118(0,-20.32) 119(2.54,-22.86) 120(0,-22.86) 121(2.54,-25.4) 122(0,-25.4) 123(2.54,-27.94) 124(0,-27.94) 125(2.54,-30.48) 126(0,-30.48) 127(2.54,-33.02) 128(0,-33.02) 129(2.54,-35.56) 130(0,-35.56) 131(2.54,-38.1) 132(0,-38.1) 133(2.54,-40.64) 134(0,-40.64) 135(2.54,-43.18) 136(0,-43.18) 137(2.54,-45.72) 138(0,-45.72) 139(2.54,-48.26) 140(0,-48.26) 141(2.54,-50.8) 142(0,-50.8) 143(2.54,-53.34) 144(0,-53.34) 145(2.54,-55.88) 146(0,-55.88)
  silkscreen extent -1.27,-57.28 49.53,1.27, body extent -3.32,-65.28 51.29,23.62, height 15.24
CAPAE110103X126M [mm] "Aluminum Electrolytic Capacitor, Body 10.30x10.30x12.60mm, IPC Low Density"
  rect 5x5 smd: 1(-4.3,0) 2(4.3,0)
  silkscreen extent -5.15,-5.15 5.15,5.15, body extent -5.5,-5.15 5.5,5.15, height 12.6
"CONN HDR 2POS 7.50MM" [mm]
  round 2.58 hole 1.98: 1(4.75,13.13) 1(4.75,16.31) 2(12.243,13.13) 2(12.243,16.31)
  round 3.81 hole 3.175: ""(0,0) ""(16.993,0)
  silkscreen extent -2.67,-1.49 20,18.41, body extent -2.29,-3.05 18.8,16.74, height 15.12
DIOM4326X20N [mm] "Molded Diode, 2-Leads, Body 4.30x2.61mm, IPC Medium Density"
  rect 2.7x1.7 smd: 1(-2,0) 2(2,0)
  silkscreen extent -3.22,-1.5 2.3,1.52, body extent -2.52,-1.46 2.52,1.46, height 1.96
DIOM4436X26N [mm] "Molded Diode, 2-Leads, Body 4.40x3.62mm, IPC Medium Density"
  rect 2.8x2.26 smd: 1(-1.6,0) 2(1.6,0)
  silkscreen extent -3.17,-2 2.4,2, body extent -2.6,-1.97 2.6,1.97, height 2.61
DPAK228P991X238-3N [mm] "D-PAK, 3-Pads, Body 6.21x6.54mm (max), IPC Medium Density"
  rect 3x1.2 smd: 1(-4.1,2.28) 3(-4.1,-2.28)
  rect 7.2x6.25 smd: 4(1.95,0)
  silkscreen extent -4.22,-3.2 -2.05,3.55, body extent -4.83,-3.17 5.08,3.18, height 2.51
"Fuse Holder 30A 500V 1 Circuit Blade Through Hole" [mil]
  round 80 hole 63: 1(0,135) 1(0,0) 2(390,0) 2(390,135)
  silkscreen extent -115,-65 505,205, body extent -110,-60 505,200, height 290
G2RL [mm]
  round 2.3 hole 1.3: 1(0,0) 2(-15,0) 3(-20,0) 4(-25,0) 5(-25,-7.5) 6(-20,-7.5) 7(-15,-7.5) 8(0,-7.5)
  silkscreen extent -27.5,-10 2.5,2.5, body extent -27.43,-9.91 2.41,2.41, height 15.7
INDM4442X20N [mm] "Molded Inductor, 2-Leads, Body 4.40x4.20mm, IPC Medium Density"
  rect 1.6x2.05 smd: 1(-1.975,0) 2(1.975,0)
  silkscreen extent -2.2,-2.1 2.2,2.1, body extent -2.42,-2.1 2.42,2.1, height 2
INDM5026X18N [mm] "Molded Inductor, 2-Leads, Body 5.04x2.59mm, IPC Medium Density"
  rect 2.4x1.55 smd: 1(-2.286,0) 2(2.286,0)
  silkscreen extent -3.42,-1.4 2.65,1.45, body extent -2.86,-1.4 2.86,1.4, height 1.8
INDM8682X40N [mm] "Molded Inductor, 2-Leads, Body 8.64x8.18mm, IPC Medium Density"
  rect 3.5x5.1 smd: 1(-3.825,0) 2(3.825,0)
  silkscreen extent -5.45,-4.1 4.35,4.1, body extent -4.54,-4.09 4.54,4.09, height 4
INDM120125X75N [mm] "Molded Inductor, 2-Leads, Body 12.00x12.50mm, IPC Medium Density"
  rect 6x5.4 smd: 1(-4.85,0) 2(4.85,0)
  silkscreen extent -6,-6.25 6,6.25, body extent -6.22,-6.25 6.22,6.25, height 7.5
INDM125125X60N [mm] "Molded Inductor, 2-Leads, Body 12.50x12.50mm, IPC Medium Density"
  rect 6x6 smd: 1(-4.975,0) 2(4.975,0)
  silkscreen extent -6.25,-6.25 6.25,6.25, body extent -6.47,-6.25 6.47,6.25, height 6
K12SCS1.55NOLFTX [mm]
  rect 2.35x2.1 smd: 1(0,0)
  oval 2.35x2.1 smd: 1(0,-9.9) 2(4.75,0) 2(4.75,-9.9)
  silkscreen extent -2.03,-11.3 6.35,1.4, body extent -3.11,-10.75 7.69,0.85, height 9.08
"LED 0603 GREEN" [mm] "Chip Diode, 2-Leads, Body 1.60x0.80mm, IPC Medium Density"
  rect 0.9x0.95 smd: 1(-0.775,0) 2(0.775,0)
  silkscreen extent -0.25,-0.76 1.52,0.76, body extent -0.8,-0.4 0.8,0.4, height 0.8
"LED 0603 RED" [mm] "Chip Diode, 2-Leads, Body 1.60x0.80mm, IPC Medium Density"
  rect 0.9x0.95 smd: 1(-0.775,0) 2(0.775,0)
  silkscreen extent -0.25,-0.76 1.52,0.76, body extent -0.8,-0.4 0.8,0.4, height 0.8
MH [mm] "#10 Mount Hole"
  round 4.3 hole 2.946 unplated: 2(0,0)
  silkscreen extent -3,-3 3,3, body extent -2.32,-2.58 2.32,2.07, height 2.84
PCFN-124D2M,000 [mm]
  round 2.4 hole 1.8: 1(0,0) 3(0,0) 4(27.6,0)
  round 2.4 hole 1.6: 1(3.8,-12)
  round 2.4 hole 1.5: 2(25.8,-12)
  silkscreen extent -1.78,-14.48 29.21,1.91, body extent -1.48,-14.22 28.92,1.78, height 29
"Pin Header 1x2 TH Pitch 2.54mm" [mm] "PinHeader 1x2 TH Pitch 2.54mm"
  round 1.8 hole 1: 1(0,0) 2(2.54,0)
  silkscreen extent -1.27,-1.27 3.81,1.27, body extent -1.27,-1.27 3.81,1.27, height 9.5
"RELAY AUTOMOTIVE SPDT 45A 24V - duplicate" [mm]
  round 2.2 hole 1.6: 1(-3.7,12.1) 2(-7.9,12.1)
  round 3 hole 2.4: 3(2.3,15.4) 5(2.3,12.1)
  round 2.896 hole 2.591: 4(-13.7,14.3)
  round 3.2 hole 2.591: 4(-11,0) 4(0,0)
  silkscreen extent -20.43,-3.18 20.4,19.33, body extent -20.38,-2.17 5.71,18.93, height 24.2
RESC6132X26N [mm] "Chip Resistor, 2-Leads, Body 6.10x3.18mm, IPC Medium Density"
  rect 2.4x3.25 smd: 1(-2.225,0) 2(2.225,0)
  silkscreen extent -0.65,-1.52 0.65,1.53, body extent -3.05,-1.59 3.05,1.59, height 2.57
SMD-0805-RES [mm]
  rect 0.9x1.35 smd: 1(-1,0) 2(1,0)
  silkscreen extent -0.15,-0.58 0.15,0.58, body extent -1.1,-0.67 1.1,0.67, height 0.5
SMD-0805C [mm]
  rect 1.05x1.4 smd: 1(-0.95,0) 2(0.95,0)
  silkscreen extent -0.05,-0.6 0.05,0.6, body extent -1.1,-0.67 1.1,0.67, height 0.5
SMD-1206-RES [mm]
  rect 1.45x1.75 smd: 1(-1.4,0) 2(1.4,0)
  silkscreen extent -0.3,-0.77 0.3,0.77, body extent -1.78,-0.87 1.78,0.87, height 0.5
SMD-1206C [mm]
  rect 1.45x1.8 smd: 1(-1.4,0) 2(1.4,0)
  silkscreen extent -0.3,-0.8 0.3,0.8, body extent -1.78,-0.87 1.78,0.87, height 0.5
SODFL250X110-2N [mm] "SODFL, 2-Leads, Body 1.30x2.50mm, IPC Medium Density"
  rect 0.9x0.65 smd: 1(-1.15,0) 2(1.15,0)
  silkscreen extent -0.51,-0.76 1.57,0.76, body extent -1.25,-0.7 1.25,0.7, height 1.1
SOIC28-W_MC-M [mil]
  rect 90x24 smd paste+0 mask+0: 1(-180,325) 2(-180,275) 3(-180,225) 4(-180,175) 5(-180,125) 6(-180,75) 7(-180,25) 8(-180,-25) 9(-180,-75) 10(-180,-125) 11(-180,-175) 12(-180,-225) 13(-180,-275) 14(-180,-325) 15(180,-325) 16(180,-275) 17(180,-225) 18(180,-175) 19(180,-125) 20(180,-75) 21(180,-25) 22(180,25) 23(180,75) 24(180,125) 25(180,175) 26(180,225) 27(180,275) 28(180,325)
  silkscreen extent -245,-358 245,358, body extent -203,-353 203,353, height 104
SOIC127P600X175-8N [mm] "SOIC, 8-Leads, Body 4.90x3.90mm, Pitch 1.27mm, IPC Medium Density"
  rect 1.45x0.6 smd: 1(-2.725,1.905) 2(-2.725,0.635) 3(-2.725,-0.635) 4(-2.725,-1.905) 5(2.725,-1.905) 6(2.725,-0.635) 7(2.725,0.635) 8(2.725,1.905)
  silkscreen extent -2.85,-2.5 1.6,2.88, body extent -2,-2.5 2,2.5, height 1.75
SOIC127P610X280-8N [mm] "SOIC, 8-Leads, Body 5.10x4.10mm, Pitch 1.27mm, IPC Medium Density"
  rect 1.45x0.6 smd: 1(-2.775,1.905) 2(-2.775,0.635) 3(-2.775,-0.635) 4(-2.775,-1.905) 5(2.775,-1.905) 6(2.775,-0.635) 7(2.775,0.635) 8(2.775,1.905)
  silkscreen extent -2.9,-2.55 1.65,2.88, body extent -2.05,-2.55 2.05,2.55, height 2.8
SOP65P640X175-20N [mm] "SOP, 20-Leads, Body 6.50x4.40mm, Pitch 0.65mm, IPC Medium Density"
  rect 1.78x0.42 smd: 1(-2.97,2.925) 2(-2.97,2.275) 3(-2.97,1.625) 4(-2.97,0.975) 5(-2.97,0.325) 6(-2.97,-0.325) 7(-2.97,-0.975) 8(-2.97,-1.625) 9(-2.97,-2.275) 10(-2.97,-2.925) 11(2.97,-2.925) 12(2.97,-2.275) 13(2.97,-1.625) 14(2.97,-0.975) 15(2.97,-0.325) 16(2.97,0.325) 17(2.97,0.975) 18(2.97,1.625) 19(2.97,2.275) 20(2.97,2.925)
  silkscreen extent -3.09,-3.25 1.92,3.81, body extent -3.2,-3.25 3.2,3.25, height 1.75
SOP127P600X175-8N [mm] "SOP, 8-Leads, Body 4.91x3.90mm, Pitch 1.27mm, IPC Medium Density"
  rect 1.55x0.65 smd: 1(-2.7,1.905) 2(-2.7,0.635) 3(-2.7,-0.635) 4(-2.7,-1.905) 5(2.7,-1.905) 6(2.7,-0.635) 7(2.7,0.635) 8(2.7,1.905)
  silkscreen extent -2.82,-2.5 1.65,2.9, body extent -3,-2.5 3,2.5, height 1.75
"SOP127P600X175-8N - Thermal Pad" [mm]
  rect 1.45x0.6 smd: 1(-2.725,1.905) 2(-2.725,0.635) 3(-2.725,-0.635) 4(-2.725,-1.905) 5(2.725,-1.905) 6(2.725,-0.635) 7(2.725,0.635) 8(2.725,1.905)
  rect 2x3 smd: ""(0,0)
  silkscreen extent -2.85,-2.5 1.6,2.88, body extent -3,-2.5 3,2.5, height 1.75
SOP127P1030X265-16N [mm] "SOP, 16-Leads, Body 11.55x7.50mm, Pitch 1.27mm, IPC Medium Density"
  oval 1.9x0.6 smd: 1(-4.75,4.445) 2(-4.75,3.175) 3(-4.75,1.905) 4(-4.75,0.635) 5(-4.75,-0.635) 6(-4.75,-1.905) 7(-4.75,-3.175) 8(-4.75,-4.445) 9(4.75,-4.445) 10(4.75,-3.175) 11(4.75,-1.905) 12(4.75,-0.635) 13(4.75,0.635) 14(4.75,1.905) 15(4.75,3.175) 16(4.75,4.445)
  silkscreen extent -4.87,-5.9 3.4,5.9, body extent -5.16,-5.9 5.16,5.9, height 2.65
SOP127P1060X175-16N [mm] "SOP, 16-Leads, Body 10.50x7.50mm, Pitch 1.27mm, IPC Medium Density"
  rect 1.45x0.6 smd: 1(-5.025,4.445) 2(-5.025,3.175) 3(-5.025,1.905) 4(-5.025,0.635) 5(-5.025,-0.635) 6(-5.025,-1.905) 7(-5.025,-3.175) 8(-5.025,-4.445) 9(5.025,-4.445) 10(5.025,-3.175) 11(5.025,-1.905) 12(5.025,-0.635) 13(5.025,0.635) 14(5.025,1.905) 15(5.025,3.175) 16(5.025,4.445)
  silkscreen extent -5.15,-5.25 3.9,5.42, body extent -5.32,-5.25 5.32,5.25, height 1.75
SOP250P500X350-6N [mm] "SOP, 6-Leads, Body 8.50x3.50mm, Pitch 2.50mm, IPC Medium Density"
  rect 1.2x0.8 smd: 1(-2.35,2.5) 2(-2.35,0) 3(-2.35,-2.5) 4(2.35,-2.5) 5(2.35,0) 6(2.35,2.5)
  silkscreen extent -1.35,-4.25 1.35,4.25, body extent -2.5,-4.25 2.5,4.25, height 5.5
SOT200P1005X328-5N [mm] "SOT23, 5-Leads, Body 4.60x10.05mm, Pitch 2.00mm, IPC Medium Density"
  rect 1.6x1.25 smd: 1(-5.15,2) 2(-5.15,-2) 3(5.15,-2) 4(5.15,2)
  silkscreen extent -5.27,-2.35 2.95,3.3, body extent -5.15,-2.62 5.15,2.63, height 3.28
"Test Point" [mil] "SMD Test Point"
  round 30 smd: 1(0,0)
TSOP65P660X120-16N [mm] "TSOP, 16-Leads, Body 5.00x4.40mm, Pitch 0.65mm, IPC Medium Density"
  rect 1.5x0.45 smd: 1(-3,2.275) 2(-3,1.625) 3(-3,0.975) 4(-3,0.325) 5(-3,-0.325) 6(-3,-0.975) 7(-3,-1.625) 8(-3,-2.275) 9(3,-2.275) 10(3,-1.625) 11(3,-0.975) 12(3,-0.325) 13(3,0.325) 14(3,0.975) 15(3,1.625) 16(3,2.275)
  silkscreen extent -3.12,-2.55 1.85,3.17, body extent -3.3,-2.55 3.3,2.55, height 1.2
TSOP95P280X110-6N [mm] "TSOP, 6-Leads, Body 2.90x1.60mm, Pitch 0.95mm, IPC Medium Density"
  rect 1x0.5 smd: 1(-1.4,0.95) 2(-1.4,0) 3(-1.4,-0.95) 4(1.4,-0.95) 5(1.4,0) 6(1.4,0.95)
  silkscreen extent -1.53,-1.55 0.5,1.87, body extent -1.5,-1.55 1.5,1.55, height 1.1